# Altium PCB 通用工装板.PcbDoc (part 9 of 10)
Units mil, origin at the board's own origin, x right, y up, seen from the top; angles counter-clockwise.
Board outline 5905.51 x 3937.01 mil, 4 copper layers (L1, L2, L3, L4), stack 30.634 mil thick; 601 components, 576 nets, 2543 pads, 2986 vias.
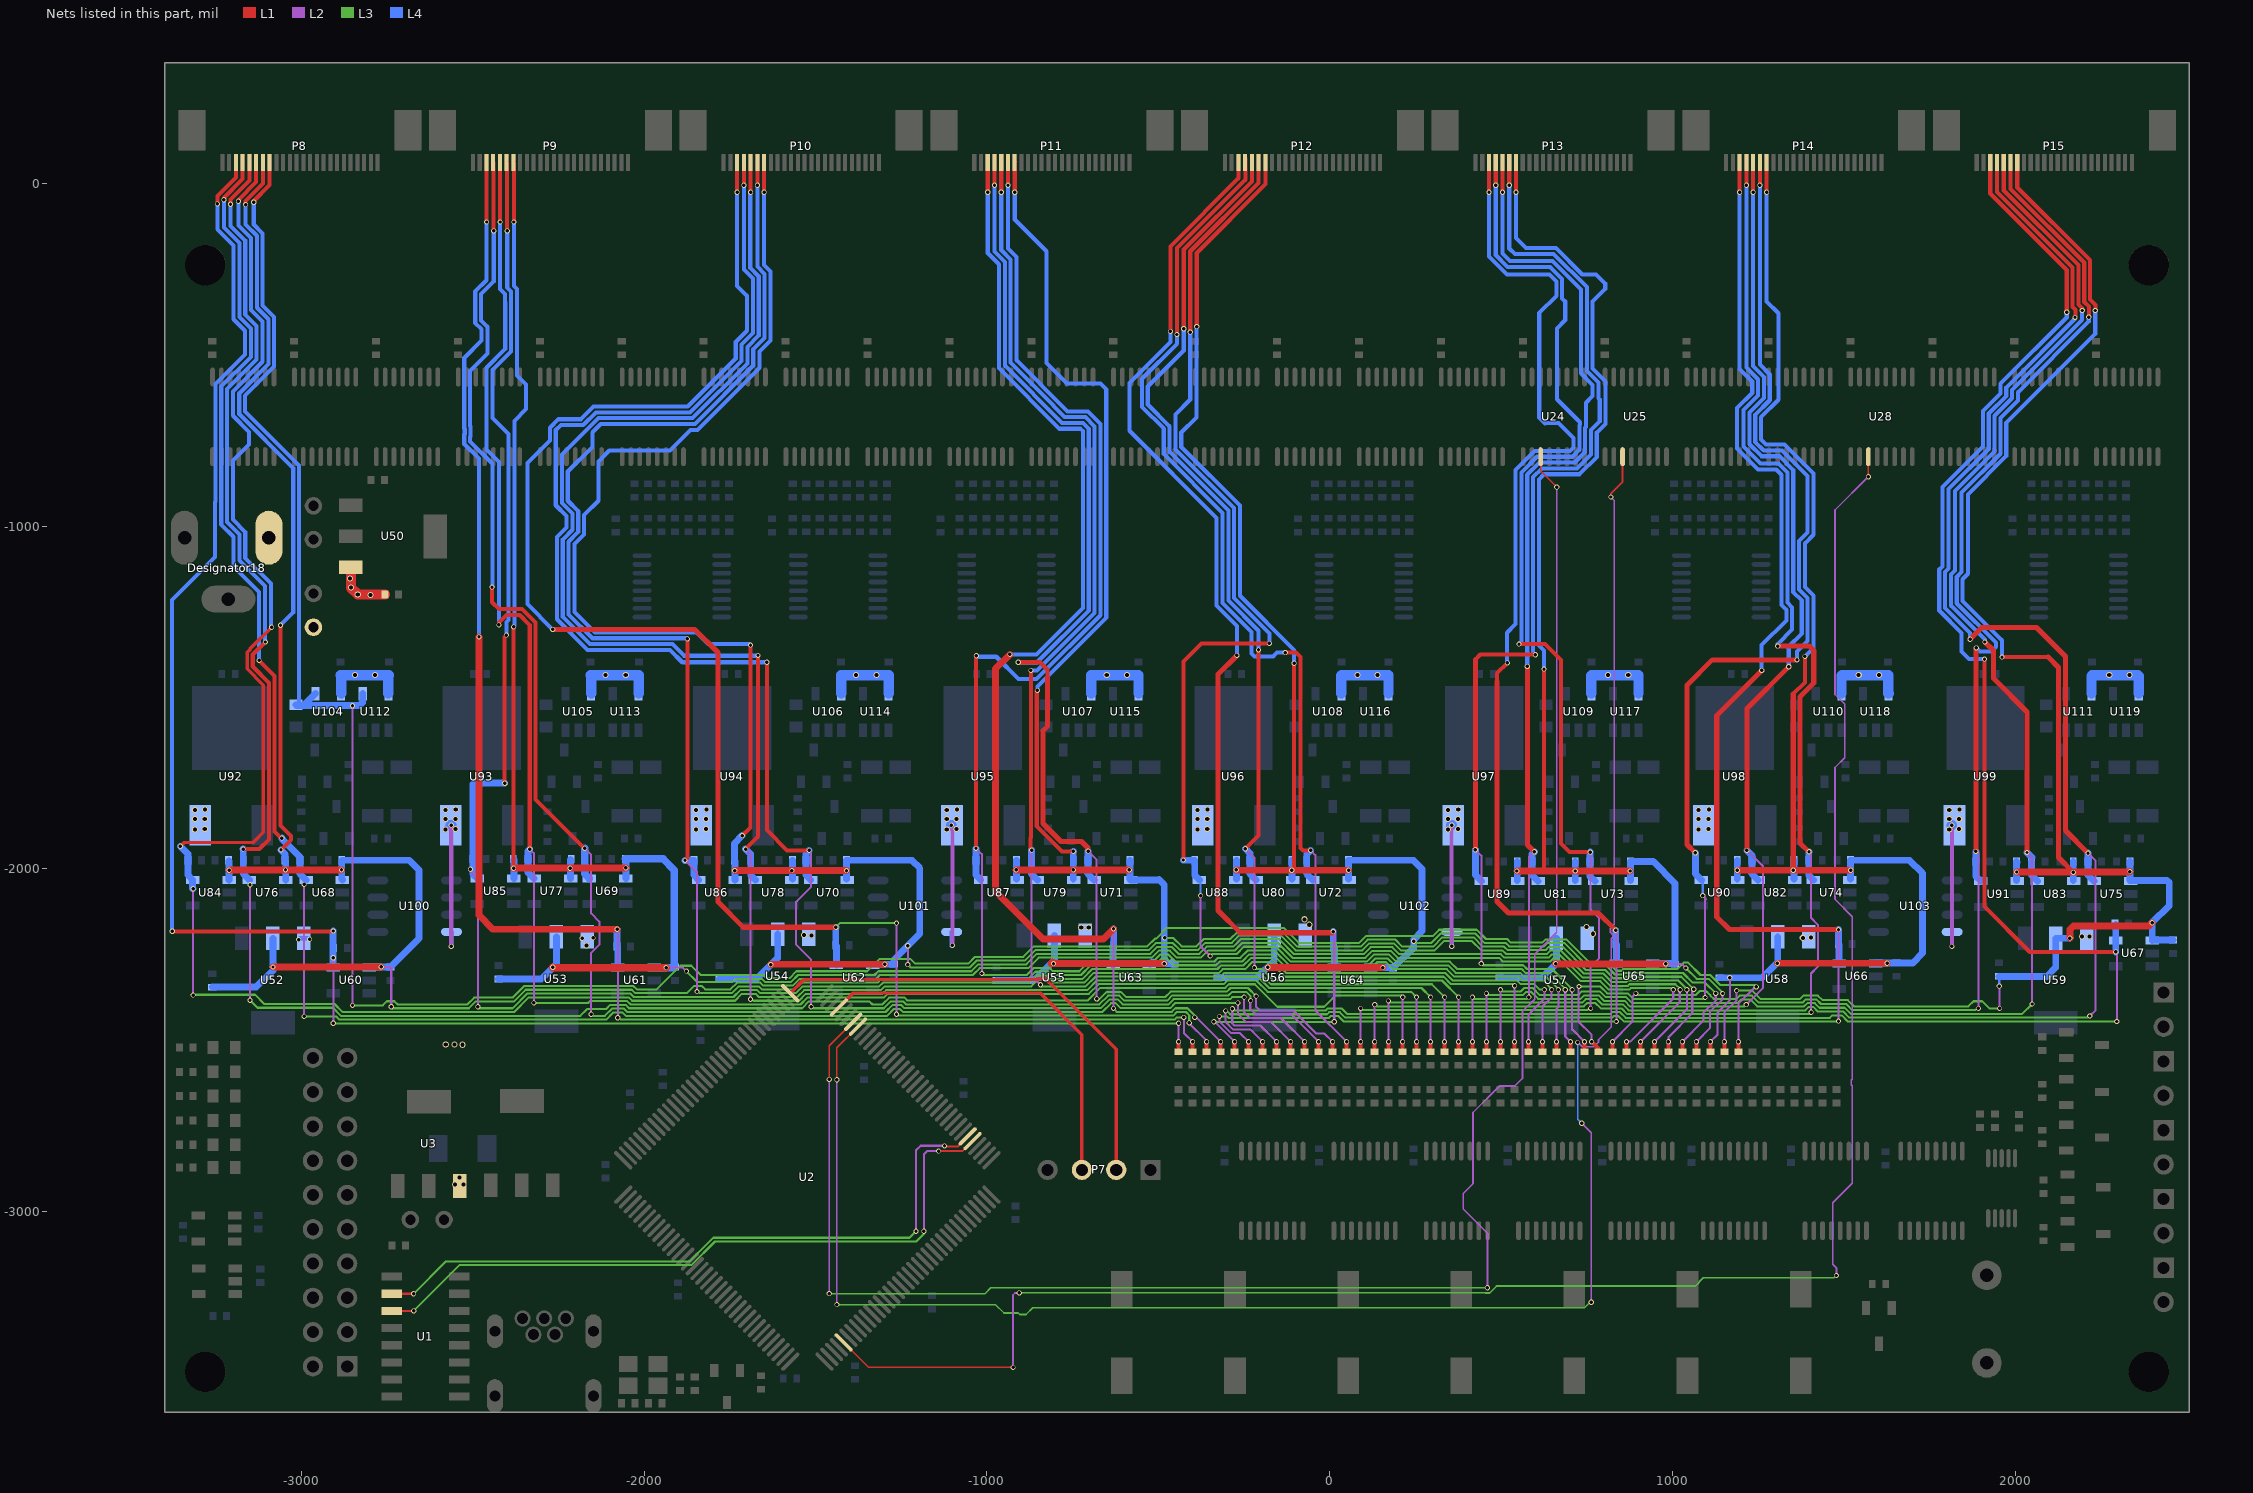
[diagram p11: the nets of this part, all layers, seen from the top]

## Via types
v1: diameter 15, hole 10, L1 to L4, tented both sides, 1853 vias
v2: diameter 18, hole 12, L1 to L4, tented both sides, 1133 vias

## Nets (pads, with @x,y where several pads share a name; then routed paths per layer and width w, separated by ;. In a path a pad name is that pad's centre, name@x,y a point inside that pad or via, vN(x,y) a via of type N, cw(c..) or ccw(c..) an arc to the next point about the centre after c; other vN are vias at no path point) (continued)
SPI1_SCK: U2.41 U28.3 | length 5665.6
  L1 w5: U2.41@-1418.2,-3381.57 -1345.77,-3454 v1(-924,-3454) ; v1(1571.14,-855.86) U28.3@1571.14,-797.27
  L2 w5: v1(-924,-3454) -924,-3243 -918,-3237 v1(-906,-3237) ; v1(1478,-3186) 1478,-3164 1467.5,-3153.5 1467.5,-2973.77 1524.5,-2916.77 1524.5,-2632.71 1521,-2629.21 1521,-2616.79 1524.5,-2613.29 1524.5,-2139.36 1474,-2088.86 1474,-1704 1502,-1676 1502,-1519 1474,-1491 1474,-953 v1(1571.14,-855.86)
  L3 w5: v1(-906,-3237) -905,-3236 452.79,-3236 453.79,-3237 466.21,-3237 486.21,-3217 1065.7,-3217 1089.7,-3193 1471,-3193 v1(1478,-3186)
SWD_CLK: P7.2 U2.109 | length 1405.7
  L1 w10: U2.109@-1574.09,-2362.67 -1533.92,-2322.5 -853.25,-2322.5 -851.25,-2320.5 -828.5,-2320.5 -623,-2526 P7.2@-623,-2878
SWD_DIO: P7.3 U2.105 | length 1171.2
  L1 w10: U2.105@-1432.12,-2404.43 -1389.69,-2362 -845,-2362 -723,-2484 P7.3@-723,-2878
USART1_RX: U2.102 U24.3 | length 5361.5
  L1 w5: v1(-1460,-2614) -1460,-2515.83 U2.102@-1390.36,-2446.19 ; U24.3@615.31,-797.27 615.31,-839.31 v1(662,-886)
  L2 w5: v1(-1460,-3239) v1(-1460,-2614) ; v1(460,-3222) 460,-3063 389,-2992 389,-2947 418,-2918 418,-2710.57 495.57,-2633 540.42,-2633 562,-2611.42 562,-2416 598,-2380 598,-2249 662,-2185 v1(662,-886)
  L3 w5: v1(-1460,-3239) -1006,-3239 -989,-3222 v1(460,-3222)
USART1_TX: U2.101 U25.3 | length 5668.4
  L1 w5: v1(-1438,-2615) -1438,-2521.67 U2.101@-1376.44,-2460.11 ; v1(820,-915) 820,-905 854.27,-870.73 U25.3@854.27,-797.27
  L2 w5: v1(-1438,-3271) v1(-1438,-2615) ; v1(723,-2506) 723.85,-2506 736.85,-2519 770.21,-2519 784,-2505.21 784,-2498 821,-2461 821,-2203.79 825.5,-2199.29 825.5,-2191.71 819,-2185.21 819,-2172.79 830,-2161.79 830,-925 v1(820,-915) v1@817,-912 ; v1(735,-2742) 763,-2770 v1(763,-3264)
  L3 w5: v1(-1438,-3271) -975,-3271 -950.5,-3295.5 -908.8,-3295.5 -904.3,-3300 -886,-3300 -866,-3280 743,-3280 761,-3262 v1(763,-3264) ; v1(723,-2506) v1@723.85,-2506
  L4 w5: v1(723,-2506) 723,-2730 v1(735,-2742)
USART3_RX: U1.2 U2.78 | length 2010.8
  L1 w6: U1.2@-2736.58,-3239.36 v1(-2672.64,-3239.36) ; v1(-1124,-2808) -1122,-2810 -1086.04,-2810 U2.78@-1056.29,-2780.25
  L2 w6: v1(-1207,-3057) -1207,-2821 -1193.5,-2807.5 -1124.5,-2807.5 v1(-1124,-2808)
  L3 w6: v1(-2672.64,-3239.36) -2578.28,-3145 -1867,-3145 -1798,-3076 -1226,-3076 v1(-1207,-3057)
USART3_TX: U1.3 U2.77 | length 2036.7
  L1 w6: U1.3@-2736.58,-3289.39 v1(-2672.39,-3289.39) ; v1(-1141,-2823) -1141.5,-2823.5 -1071.7,-2823.5 U2.77@-1042.37,-2794.17
  L2 w6: v1(-1184,-3057) -1184,-2833 -1174,-2823 v1(-1141,-2823)
  L3 w6: v1(-2672.39,-3289.39) -2539,-3156 -1862.44,-3156 -1793.44,-3087 -1206,-3087 -1184,-3065 v1(-1184,-3057)
VCC+1V8_0: C48.2 P8.3 R112.1 U60.5 | length 5705.9
  L1 w12: v1(-3377,-2182) -2908,-2182 v1(-2907,-2181) ; v1(-3245,-60) -3245,-37 -3191.31,16.69 P8.3@-3191.31,60.67 ; R112.1@-441,-2533.32 v1(-441,-2504)
  L2 w6: v1(-2907,-2450) v1(-2907,-2259) ; v1(-441,-2504) v1(-441,-2450)
  L3 w6: v1(-2907,-2450) -2906.5,-2450.5 -441.5,-2450.5 v1(-441,-2450)
  L4 w12: v1@-3376,-2183 v1(-3377,-2182) -3377,-1215 -3252,-1090 -3252,-929 -3251,-928 -3251,-585.83 -3164.5,-499.33 -3164.5,-430 -3198,-396.5 -3198,-181 -3245,-134 v1(-3245,-60)
  L4 w20: U60.5@-2907.84,-2287.76 -2907.84,-2181.84 v1(-2907,-2181)
VCC+1V8_1: C49.2 P9.3 R124.1 U61.5 | length 4815.9
  L1 w12: v1(-2459.63,-112.67) P9.3@-2459.63,60.67 ; R124.1@-400.17,-2533.32 v1(-400.17,-2504)
  L1 w20: v1(-2482,-1323) -2482,-2135 -2441,-2176 v1(-2079,-2176)
  L2 w6: v1(-2079,-2176) -2077,-2178 v1(-2077,-2434) ; v1(-426,-2433) -425.5,-2433.5 -425.5,-2478.67 v1(-400.17,-2504)
  L3 w6: v1(-2077,-2434) -2077,-2431 -2068.5,-2439.5 -452.42,-2439.5 -445.92,-2433 v1(-426,-2433)
  L4 w12: v1@-2482.04,-1321.96 -2482.04,-803.04 -2525,-760.08 -2525,-733.16 -2523.5,-731.66 -2523.5,-716.34 -2525,-714.84 -2525,-509 -2474.5,-458.5 -2474.5,-425.5 -2493,-407 -2493,-316 -2459.63,-282.63 v1(-2459.63,-112.67)
  L4 w20: C49.2@-2079.1,-2226.73 -2079.1,-2176.1 v1(-2079,-2176) ; U61.5@-2077.13,-2287.76 C49.2@-2077.13,-2228.7
VCC+1V8_2: C50.2 P10.3 R136.1 U62.5 | length 5030.9
  L1 w12: v1(-1728.99,-25.99) P10.3@-1728.99,60.67 ; R136.1@-359.34,-2533.32 v1(-359.34,-2504)
  L1 w15: v1(-2267,-1301) -1853,-1301 -1785,-1369 -1785,-2096 -1711,-2170 v1(-1441,-2170)
  L2 w6: v1(-1264,-2424) v1(-1264,-2158) ; v1(-410,-2449) -412,-2449 -359.34,-2501.66 v1(-359.34,-2504)
  L3 w6: v1(-1441,-2170) -1429,-2158 v1(-1264,-2158) ; v1(-1264,-2424) -1260,-2428 -456.48,-2428 -445.98,-2417.5 -419.58,-2417.5 -410,-2427.08 v1(-410,-2449)
  L4 w12: v1(-2267,-1301) -2341,-1227 -2341,-816 -2275,-750 -2275,-712.96 -2250.04,-688 -2184.92,-688 -2147.92,-651 -1873,-651 -1733,-511 -1733,-462.96 -1700,-429.96 -1700,-328 -1728.99,-299.01 v1(-1728.99,-25.99)
  L4 w20: C50.2@-1441.31,-2222.8 -1441.31,-2170.31 v1(-1441,-2170) ; U62.5@-1439.34,-2279.88 C50.2@-1439.34,-2224.76
VCC+1V8_3: C51.2 P11.3 R148.1 U63.5 | length 3571.5
  L1 w12: v1(-997.83,-25.99) P11.3@-997.83,60.67 ; R148.1@-318.51,-2533.32 v1(-318.51,-2504)
  L1 w20: v1(-933,-1374) -975,-1416 -975,-2066 -837,-2204 -660,-2204 v1(-631,-2175)
  L2 w6: v1(-631,-2407) v1(-631,-2175) ; v1(-394,-2433) -389.51,-2433 v1(-318.51,-2504)
  L3 w6: v1(-631,-2407) -631,-2408 -622,-2417 -461.03,-2417 -450.53,-2406.5 -415.02,-2406.5 -394,-2427.52 v1(-394,-2433)
  L4 w12: v1(-997.83,-25.99) -997.83,-203.17 -965,-236 -965,-539 -788,-716 -727,-716 -720,-723 -720,-1238.79 -855.21,-1374 v1(-933,-1374)
  L4 w20: U63.5@-632.25,-2279.88 C51.2@-632.25,-2224.76 ; v1(-631,-2175) -630.28,-2175.72 C51.2@-630.28,-2222.8
VCC+1V8_4: C52.2 P12.3 R160.1 U64.5 | length 3674
  L1 w12: v1(-465,-431.72) -465,-184 -266,15 P12.3@-266,72 ; R160.1@-277.68,-2533.32 v1(-277.68,-2504)
  L1 w15: v1(-271,-1377) -326,-1432 -326,-2121 -261,-2186 7,-2186 v1(10,-2183)
  L2 w6: v1(-338,-2446) -335.68,-2446 v1(-277.68,-2504) ; v1(10,-2183) 13,-2186 v1(13,-2446)
  L3 w6: v1(-338,-2446) v1(13,-2446)
  L4 w12: v1(-465,-431.72) -465,-463 -584.5,-582.5 -584.5,-721.66 -330,-976.16 -330,-1232 -271,-1291 v1(-271,-1377)
  L4 w20: v1(10,-2183) 10,-2229.22 C52.2@11.45,-2230.67 ; U64.5@13.42,-2287.76 C52.2@13.42,-2232.64
VCC+1V8_5: C53.2 P13.3 R174.1 U65.5 | length 4614.9
  L1 w12: R174.1@-236.85,-2533.32 v1(-236.85,-2504) ; v1(464.49,-25.99) P13.3@464.49,60.67 ; 488,-1454 488,-1429 v1(518,-1399)
  L1 w15: 488,-1454 488,-2095 521.5,-2128.5 783.5,-2128.5 v1(834,-2179)
  L2 w6: v1(-322,-2430) -322,-2444.12 -287.12,-2479 -261.85,-2479 v1(-236.85,-2504) ; v1(834,-2179) 836,-2181 v1(836,-2445)
  L3 w6: v1(-322,-2430) -300,-2430 -295,-2435 -3,-2435 3,-2429 25,-2429 41,-2445 v1(836,-2445)
  L4 w12: v1(464.49,-25.99) 464.49,-213.49 517,-266 641,-266 661,-286 661,-328 611,-378 611,-683 628,-700 629,-699 667,-699 711,-743 711,-770 700.5,-780.5 597.5,-780.5 542,-836 542,-1286 517,-1311 517,-1398 v1(518,-1399)
  L4 w20: v1(834,-2179) 834.28,-2179.28 C53.2@834.28,-2218.86 ; U65.5@836.25,-2275.94 C53.2@836.25,-2220.83
VCC+1V8_6: C54.2 P14.3 R186.1 U66.5 | length 5147.6
  L1 w12: R186.1@-196.02,-2533.32 v1(-196.02,-2504) ; v1(1195.64,-25.99) P14.3@1195.64,60.67
  L1 w15: v1(1260,-1421) 1129,-1552 1129,-2140 1166,-2177 v1(1484,-2177)
  L2 w6: v1(-304,-2414) -304,-2446.57 -282.57,-2468 -232.02,-2468 v1(-196.02,-2504) ; v1(1484,-2444) v1(1484,-2177)
  L3 w6: v1(-304,-2414) -300.44,-2414 -290.44,-2424 -7.56,-2424 -1.56,-2418 29.56,-2418 45.56,-2434 824,-2434 829,-2429 842,-2429 858.5,-2445.5 1482.5,-2445.5 v1(1484,-2444)
  L4 w12: v1(1195.64,-25.99) 1195.64,-541.64 1232.5,-578.5 1232.5,-611.66 1188.5,-655.66 1188.5,-773.66 1249.37,-834.54 1302.54,-834.54 1318,-850 1318,-1230 1332,-1244 1332,-1275 1260,-1347 v1(1260,-1421)
  L4 w20: C54.2@1483.89,-2218.86 1483.89,-2177.11 v1(1484,-2177) ; U66.5@1485.86,-2275.94 C54.2@1485.86,-2220.83
VCC+1V8_7: C55.2 P15.3 R198.1 U67.5 | length 6054.6
  L1 w12: R198.1@-155.19,-2533.32 v1(-155.19,-2504) ; v1(1910,-1388) 1910,-2110 2042,-2242 v1(2293,-2242) ; P15.3@1926.8,60.67 1926.8,-29.17 2150,-252.37 v1(2150,-376)
  L2 w6: v1(-284,-2408) -284.51,-2408.51 -284.51,-2450.51 -278.01,-2457 -202.19,-2457 v1(-155.19,-2504) ; v1(2293,-2242) 2296,-2245 v1(2296,-2445)
  L3 w6: v1(-284,-2408) -279,-2413 -12.11,-2413 -6.11,-2407 34.11,-2407 50.11,-2423 819.44,-2423 824.44,-2418 846.56,-2418 863.06,-2434.5 1458.5,-2434.5 1466,-2427 1493,-2427 1511,-2445 v1(2296,-2445)
  L4 w12: v1(1910,-1388) 1865,-1388 1843,-1366 1843,-1311.21 1778,-1246.21 1778,-1126.79 1787,-1117.79 1787,-886 1905.38,-767.62 1905.38,-663.93 1956.56,-612.75 1956.56,-584.44 2150,-391 v1(2150,-376)
  L4 w20: C55.2@2292.94,-2161.77 U67.5@2292.94,-2209.02 2292.94,-2241.94 v1(2293,-2242)
VCC+2V5_0: C64.2 P8.4 R114.1 U68.5 | length 5696.1
  L1 w12: v1(-3226,-48) -3226,-42.04 -3171.62,12.34 P8.4@-3171.62,60.67 ; v1(-3123.5,-1391.5) -3078,-1437 -3078,-1891 -3059,-1910 v1(-3057,-1910) ; R114.1@-114.36,-2533.32 v1(-114.36,-2504)
  L2 w6: v1(-2992,-2430) v1(-2992,-2045) ; v1(-268,-2391) -268,-2423 -245,-2446 -172.36,-2446 v1(-114.36,-2504)
  L3 w6: v1(-2992,-2430) -2899,-2430 -2889.5,-2439.5 -2110.5,-2439.5 -2089.5,-2418.5 -2063.5,-2418.5 -2053.5,-2428.5 -1291.5,-2428.5 -1271.5,-2408.5 -1254,-2408.5 -1245.5,-2417 -663,-2417 -637.5,-2391.5 -624.58,-2391.5 -610.08,-2406 -465.59,-2406 -450.59,-2391 v1(-268,-2391)
  L4 w12: v1(-3226,-48) -3226,-128.96 -3181,-173.96 -3181,-389.46 -3147.5,-422.96 -3147.5,-506.38 -3234,-592.88 -3234,-995 -3198,-1031 -3198,-1117.31 -3123.22,-1192.09 -3123.22,-1330.06 -3123.5,-1330.34 v1(-3123.5,-1391.5)
  L4 w20: v1(-3057,-1910) -3057,-1912 -3004.3,-1964.7 C64.2@-3004.3,-1974.76 -3004.3,-2014.13 U68.5@-2986.58,-2031.85
VCC+2V5_1: C65.2 P9.4 R126.1 U69.5 | length 5073.1
  L1 w12: v1(-2444,-1178) -2444,-1222 -2424,-1242 -2355.96,-1242 -2317,-1280.96 -2317,-1797 v1(-2174,-1940) ; P9.4@-2439.95,60.67 -2439.95,-137.79 v1(-2439.06,-138.67) ; R126.1@-73.53,-2533.32 v1(-73.53,-2504)
  L2 w6: v1(-2174,-1940) -2155,-1959 -2155,-2129.56 -2131,-2153.56 -2131,-2221 -2155,-2245 v1(-2155,-2424) ; v1(-250,-2374) -250,-2418 -233,-2435 -142.53,-2435 v1(-73.53,-2504)
  L3 w6: v1(-2155,-2424) -2155,-2425 -2151.5,-2428.5 -2115.06,-2428.5 -2094.06,-2407.5 -2058.94,-2407.5 -2048.94,-2417.5 -1296.06,-2417.5 -1276.06,-2397.5 -1249.44,-2397.5 -1240.94,-2406 -667.56,-2406 -642.06,-2380.5 -618.5,-2380.5 -604,-2395 -470.15,-2395 -455.15,-2380 -291,-2380 -285,-2374 v1(-250,-2374)
  L4 w12: v1@-2443,-1178 -2443,-818.04 -2508,-753.04 -2508,-740.2 -2506.5,-738.7 -2506.5,-709.3 -2508,-707.8 -2508,-547.16 -2457.5,-496.66 -2457.5,-418.46 -2476,-399.96 -2476,-323.04 -2439.06,-286.1 v1(-2439.06,-138.67)
  L4 w22: v1(-2174,-1940) -2173.59,-1940.41 C65.2@-2173.59,-1970.83 -2173.59,-2014.13 U69.5@-2159.81,-2027.91
VCC+2V5_2: C66.2 P10.4 R138.1 U70.5 | length 5334.4
  L1 w12: v1(-1709.3,-5.7) P10.4@-1709.3,60.67 ; v1(-1642,-1397) -1642,-1887 -1583,-1946 v1(-1519,-1946) ; R138.1@-32.7,-2533.32 v1(-32.7,-2504)
  L2 w6: v1(-1519,-1946) -1513,-1952 -1513,-2052 -1557,-2096 -1557,-2221.08 -1513,-2265.08 v1(-1513,-2402) ; v1(-231,-2384) -232,-2383 -232,-2408 -216,-2424 -112.7,-2424 v1(-32.7,-2504)
  L3 w6: v1(-1513,-2402) -1513,-2401 -1507.5,-2406.5 -1300.61,-2406.5 -1280.61,-2386.5 -1244.89,-2386.5 -1236.39,-2395 -672.11,-2395 -646.61,-2369.5 -613.94,-2369.5 -599.44,-2384 -474.7,-2384 -459.7,-2369 -295.56,-2369 -285.06,-2358.5 -243.5,-2358.5 -231,-2371 v1(-231,-2384)
  L4 w12: v1(-1709.3,-5.7) -1709.3,-251.7 -1683,-278 -1683,-437 -1716,-470 -1716,-518.04 -1865.96,-668 -2140.88,-668 -2177.88,-705 -2243,-705 -2258,-720 -2258,-939 -2226.5,-970.5 -2226.5,-1003.5 -2254.5,-1031.5 -2254.5,-1271.62 -2165.12,-1361 -1925.04,-1361 -1889.04,-1397 v1(-1642,-1397)
  L4 w20: v1(-1519,-1946) -1527.92,-1954.92 C66.2@-1527.92,-1974.76 -1527.92,-2018.07 U70.5@-1514.14,-2031.85
VCC+2V5_3: C67.2 P11.4 R150.1 U71.5 | length 3804.4
  L1 w12: v1(-978.15,-5.7) P11.4@-978.15,60.67 ; v1(-909,-1397) -845,-1397 -823,-1419 -823,-1441 ; R150.1@8.13,-2533.32 v1(8.13,-2504)
  L1 w15: -823,-1441 -823,-1583.5 -836.5,-1597 -836.5,-1867.34 -783.84,-1920 -724,-1920 -705,-1939 v1(-705,-1948)
  L2 w6: v1(-705,-1948) -680,-1973 v1(-680,-2379) ; v1(-215,-2371) -215,-2402 -204,-2413 -106,-2413 -39,-2480 -15.87,-2480 v1(8.13,-2504)
  L3 w6: v1(-680,-2379) -678.67,-2380.33 -673,-2380.33 -651.17,-2358.5 -609.39,-2358.5 -594.89,-2373 -479.26,-2373 -464.26,-2358 -300.11,-2358 -289.61,-2347.5 -238.5,-2347.5 v1(-215,-2371) ; v1@-676.67,-2384 v1@-675.83,-2383.17
  L4 w12: v1(-978.15,-5.7) -978.15,-198.81 -948,-228.96 -948,-531.96 -780.96,-699 -719.96,-699 -703,-715.96 -703,-1245.83 -854.17,-1397 v1(-909,-1397)
  L4 w20: v1(-705,-1948) -705.09,-1948.09 C67.2@-705.09,-1974.76 -705.09,-2014.13 U71.5@-687.37,-2031.85
VCC+2V5_4: C68.2 P12.4 R162.1 U72.5 | length 3180.3
  L1 w12: v1(-446,-441) -445.29,-441.71 -445.29,-188.33 -246.32,10.64 P12.4@-246.32,72 ; v1(-130,-1369) -98,-1369 -85.5,-1381.5 -85.5,-1938.5 -78,-1946 v1(-56,-1946) ; R162.1@48.96,-2533.32 v1(48.96,-2504)
  L2 w6: v1(-56,-1946) -42,-1960 -42,-2413.04 v1(48.96,-2504)
  L4 w12: v1@-445.29,-437.71 -446,-438.43 v1(-446,-441) -446,-468.04 -548,-570.04 -548,-652 -484.22,-715.78 -484.22,-789.91 -313,-961.12 -313,-1224.17 -228,-1309.17 -228,-1372 -220,-1380 -165,-1380 -154,-1369 v1(-130,-1369)
  L4 w20: v1(-56,-1946) -67.29,-1957.29 C68.2@-67.29,-1974.76 -67.29,-2014.13 U72.5@-49.57,-2031.85
VCC+2V5_5: C69.2 P13.4 R176.1 U73.5 | length 3880.9
  L1 w12: R176.1@89.79,-2533.32 v1(89.79,-2504) ; v1(484.17,-5.7) P13.4@484.17,60.67 ; v1(552,-1344) 628,-1344 674,-1390 674,-1926 699,-1951 v1(760,-1951)
  L2 w6: v1(89.79,-2504) 89.79,-2407.21 v1(90,-2407) ; v1(760,-1951) 761,-1952 761,-2119 786,-2144 786,-2260 761,-2285 v1(761,-2407)
  L3 w6: v1(90,-2407) 95,-2412 751,-2412 760,-2403 761,-2404 v1(761,-2407)
  L4 w12: v1(484.17,-5.7) 484.17,-209.13 519.02,-243.98 643.02,-243.98 678,-278.96 678,-336 687,-345 687,-399 663,-423 663,-629.84 730,-696.84 730,-703.92 728,-705.92 728,-777.04 707.54,-797.5 604.54,-797.5 559,-843.04 559,-1337 v1(552,-1344)
  L4 w20: v1(760,-1951) 759.48,-1951.52 C69.2@759.48,-1978.7 759.48,-2022.01 U73.5@773.26,-2035.79
VCC+2V5_6: C70.2 P14.4 R188.1 U74.5 | length 4282.4
  L1 w12: R188.1@130.62,-2533.32 v1(130.62,-2504) ; v1(1215.33,-5.7) P14.4@1215.33,60.67
  L1 w15: v1(1307,-1350) 1399,-1350 1412,-1363 1412,-1458 1372,-1498 1372,-1924.89 1397.11,-1950 v1(1398,-1950)
  L2 w6: v1(130.62,-2504) 130.62,-2396.38 v1(131,-2396) ; v1(1398,-1950) 1404,-1956 1404,-2143 1424,-2163 1424,-2285 1404,-2305 v1(1404,-2418)
  L3 w6: v1(131,-2396) 136,-2401 741,-2401 751,-2391 775,-2391 791,-2407 851.11,-2407 867.61,-2423.5 1398.5,-2423.5 v1(1404,-2418)
  L4 w12: v1(1215.33,-5.7) 1215.33,-537.29 1249.5,-571.46 1249.5,-618.7 1207,-661.2 1207,-768.12 1256.41,-817.54 1309.58,-817.54 1335,-842.96 1335,-1222.96 1349,-1236.96 1349,-1302 1307,-1344 v1(1307,-1350)
  L4 w20: v1(1398,-1950) 1397.28,-1950.72 C70.2@1397.28,-1974.76 1397.28,-2018.07 U74.5@1411.06,-2031.85
VCC+2V5_7: C71.2 P15.4 R200.1 U75.5 | length 5416.1
  L1 w12: R200.1@171.45,-2533.32 v1(171.45,-2504) ; P15.4@1946.49,60.67 1946.49,-24.82 2167,-245.33 2167,-360.33 2175.34,-368.66 2175.34,-389.66 v1(2174,-391)
  L1 w15: v1(1868,-1330) 1902,-1296 2062,-1296 2146,-1380 2146,-1888 v1(2212,-1954)
  L2 w6: v1(171,-2385) 171.45,-2385.45 v1(171.45,-2504) ; v1(2212,-1954) 2234,-1976 2234,-2412 v1(2217,-2429)
  L3 w6: v1(171,-2385) 176,-2390 736.44,-2390 746.44,-2380 779.56,-2380 795.56,-2396 855.67,-2396 872.17,-2412.5 1387.58,-2412.5 1397.58,-2402.5 1410.42,-2402.5 1423.92,-2416 1497.56,-2416 1515.56,-2434 2210,-2434 2216,-2428 v1(2217,-2429)
  L4 w12: v1(1868,-1330) 1868,-1312.17 1795,-1239.17 1795,-1133.83 1805.5,-1123.33 1805.5,-891.54 1922.38,-774.67 1922.38,-670.97 1973.56,-619.79 1973.56,-595.44 2174,-395 v1(2174,-391)
  L4 w20: v1(2212,-1954) 2212.24,-1954.24 C71.2@2212.24,-1978.7 2212.24,-2018.07 U75.5@2229.95,-2035.79
VCC+3V0_0: C80.2 P8.5 R116.1 U76.5 | length 6312.4
  L1 w12: v1(-3207,-61) -3207,-47.08 -3151.94,7.98 P8.5@-3151.94,60.67 ; v1(-3170,-1942) -3123,-1942 -3095,-1914 -3095,-1457 -3142,-1410 -3142,-1375 v1(-3105,-1338) ; R116.1@212.28,-2533.32 v1(212.28,-2504)
  L2 w6: v1(-3150,-2383) v1(-3150,-2046) ; v1(212.28,-2504) 212.28,-2379.28 212,-2379 213,-2378 v1(213,-2374)
  L3 w6: v1(-3150,-2383) -3128,-2405 -2908,-2405 -2908,-2405.44 -2884.94,-2428.5 -2186,-2428.5 -2166,-2408.5 -2110.61,-2408.5 -2098.61,-2396.5 -2054.39,-2396.5 -2044.39,-2406.5 -1539.42,-2406.5 -1519.42,-2386.5 -1343,-2386.5 -1334,-2395.5 -1305.17,-2395.5 -1285.17,-2375.5 -1240.33,-2375.5 -1231.83,-2384 -706.92,-2384 -669.92,-2347 -304.67,-2347 -294.17,-2336.5 -218.5,-2336.5 -153,-2402 -16.67,-2402 15.83,-2369.5 208.5,-2369.5 v1(213,-2374)
  L4 w12: v1(-3207,-61) -3207,-123.92 -3164,-166.92 -3164,-382.42 -3130.5,-415.92 -3130.5,-513.42 -3217,-599.92 -3217,-987.96 -3181,-1023.96 -3181,-1099.63 -3106,-1174.63 -3106,-1337 v1(-3105,-1338)
  L4 w20: v1(-3170,-1942) -3169.65,-1942.35 C80.2@-3169.65,-1974.76 -3169.65,-2014.13 U76.5@-3151.94,-2031.85
VCC+3V0_1: C81.2 P9.5 R128.1 U77.5 | length 5503.5
  L1 w12: v1(-2424,-1288) -2424,-1281 -2402,-1259 -2363,-1259 -2334,-1288 v1(-2334,-1942) ; v1(-2420.26,-112.67) P9.5@-2420.26,60.67 ; R128.1@253.1,-2533.32 v1(253.1,-2504)
  L2 w6: v1(-2334,-1942) -2322,-1954 v1(-2322,-2391) ; v1(253,-2374) 253.1,-2374.1 v1(253.1,-2504)
  L3 w6: v1(-2322,-2391) -2164.06,-2391 -2158.56,-2385.5 -2049.83,-2385.5 -2039.83,-2395.5 -1543.98,-2395.5 -1523.98,-2375.5 -1300.73,-2375.5 -1289.73,-2364.5 -702.98,-2364.5 -674.48,-2336 -309.23,-2336 -298.73,-2325.5 -213.94,-2325.5 -180.94,-2358.5 237.5,-2358.5 v1(253,-2374)
  L4 w12: v1(-2424,-1288) -2424,-813 -2460,-777 -2460,-538 -2405.5,-483.5 -2405.5,-348 -2406.5,-347 -2406.5,-322.5 -2420.26,-308.74 v1(-2420.26,-112.67)
  L4 w20: v1(-2334,-1942) -2334,-1943 -2338.94,-1947.94 C81.2@-2338.94,-1970.83 -2338.94,-2010.2 U77.5@-2321.23,-2027.91
VCC+3V0_2: C82.2 P10.5 R140.1 U78.5 | length 5701.5
  L1 w12: v1(-1704,-1942) -1668,-1906 v1(-1668,-1377) ; v1(-1689.62,-25.99) P10.5@-1689.62,60.67 ; R140.1@293.93,-2533.32 v1(293.93,-2504)
  L2 w6: v1(-1704,-1942) -1690,-1956 v1(-1690,-2380) ; v1(293.93,-2504) v1(294,-2374) v1(294,-2374)
  L3 w6: v1(-1690,-2380) -1688,-2378 -1681.5,-2384.5 -1548.53,-2384.5 -1528.53,-2364.5 -1305.28,-2364.5 -1294.28,-2353.5 -707.53,-2353.5 -679.03,-2325 -313.78,-2325 -303.28,-2314.5 -209.39,-2314.5 -176.39,-2347.5 267.5,-2347.5 v1(294,-2374)
  L4 w12: v1(-1689.62,-25.99) -1690.48,-26.85 -1690.48,-246.48 -1666,-270.96 -1666,-444.04 -1699,-477.04 -1699,-525.08 -1858.92,-685 -2133.84,-685 -2240,-791.16 -2240,-932.96 -2209.5,-963.46 -2209.5,-1010.54 -2237.5,-1038.54 -2237.5,-1264.58 -2158.08,-1344 -1918,-1344 -1884,-1378 -1669,-1378 v1(-1668,-1377)
  L4 w20: v1(-1704,-1942) -1689.34,-1956.66 C82.2@-1689.34,-1974.76 -1689.34,-2018.07 U78.5@-1675.56,-2031.85
VCC+3V0_3: C83.2 P11.5 R152.1 U79.5 | length 4127.5
  L1 w12: v1(-958.46,-25.99) P11.5@-958.46,60.67 ; v1(-872,-1421) -872,-1909.07 -872.63,-1909.7 -872.63,-1942.37 v1(-870,-1945) ; R152.1@334.76,-2533.32 v1(334.76,-2504)
  L2 w6: v1(-870,-1945) -870,-2312 v1(-844,-2338) ; v1(334.76,-2504) 334.76,-2374.24 v1(335,-2374)
  L3 w6: v1(-844,-2338) -844,-2339 -840.5,-2342.5 -712.09,-2342.5 -683.59,-2314 -318.34,-2314 -307.84,-2303.5 -204.83,-2303.5 -171.83,-2336.5 297.5,-2336.5 v1(335,-2374)
  L4 w12: v1(-958.46,-25.99) -958.46,-194.46 -931,-221.92 -931,-523 -806,-648 -806,-649.92 -773.92,-682 -712.92,-682 -686,-708.92 -686,-1252.88 -854.12,-1421 v1(-872,-1421)
  L4 w20: v1(-870,-1945) -870.44,-1945.44 C83.2@-870.44,-1974.76 -870.44,-2014.13 U79.5@-852.72,-2031.85
VCC+3V0_4: C84.2 P12.5 R164.1 U80.5 | length 3544.1
  L1 w12: v1(-426,-424) -426,-193.08 -227,5.92 P12.5@-227,73 ; v1(-246,-1941) -208,-1903 v1(-208,-1361) ; R164.1@375.59,-2533.32 v1(375.59,-2504)
  L2 w6: v1(-246,-1941) -220,-1967 v1(-220,-2288) ; v1(375.59,-2504) 375.59,-2374.41 v1(376,-2374)
  L3 w6: v1(-220,-2288) -220,-2291.5 -219,-2292.5 -197.42,-2292.5 -164.42,-2325.5 327.5,-2325.5 v1(376,-2374)
  L4 w12: v1(-426,-424) -426,-488 -531,-593 -531,-644.96 -467.22,-708.74 -467.22,-782.87 -296,-954.08 -296,-1217.12 -208,-1305.12 v1(-208,-1361)
  L4 w20: v1(-246,-1941) -232.65,-1954.35 C84.2@-232.65,-1974.76 -232.65,-2014.13 U80.5@-214.93,-2031.85
VCC+3V0_5: C85.2 P13.5 R178.1 U81.5 | length 3195.2
  L1 w12: R178.1@416.42,-2533.32 v1(416.42,-2504) ; v1(503.86,-25.99) P13.5@503.86,60.67
  L1 w15: v1@577,-1409 577,-1930 v1(597,-1950)
  L2 w6: v1(416,-2374) 416.42,-2374.42 v1(416.42,-2504) ; v1(581,-2374) 581,-1966 v1(597,-1950)
  L3 w6: v1(416,-2374) 421,-2379 576,-2379 v1(581,-2374)
  L4 w12: v1(503.86,-25.99) 503.86,-204.77 526.06,-226.98 650.06,-226.98 733,-309.92 733,-554 767,-588 767,-620 747,-640 747,-710.96 745,-712.96 745,-784.08 714.58,-814.5 611.58,-814.5 576,-850.08 v1(576,-1409)